# KiCad board EnvKB110ADR-RP2040.kicad_pcb
date: 2021-06-16
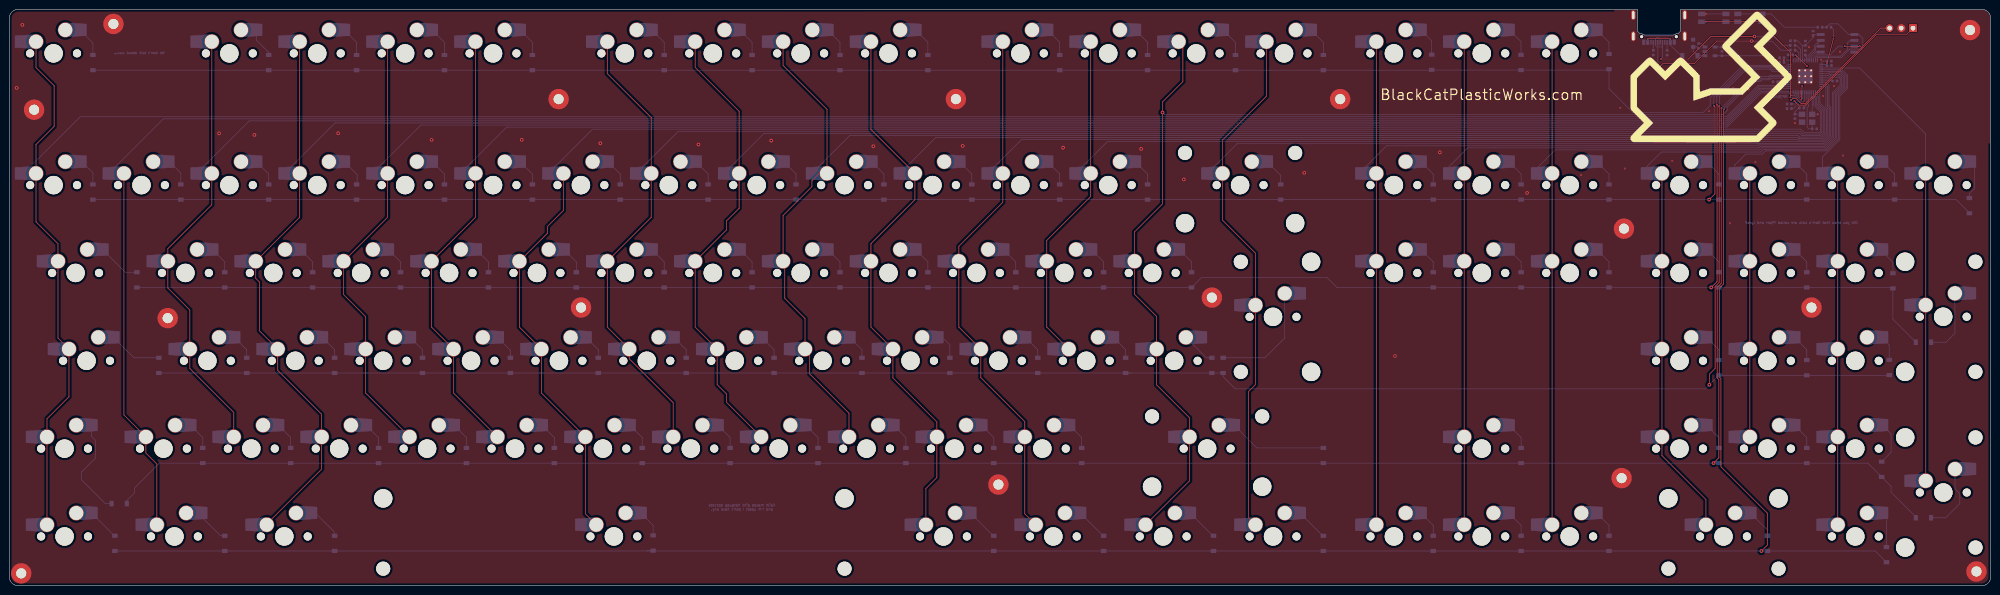
[diagram p0: board, top side]
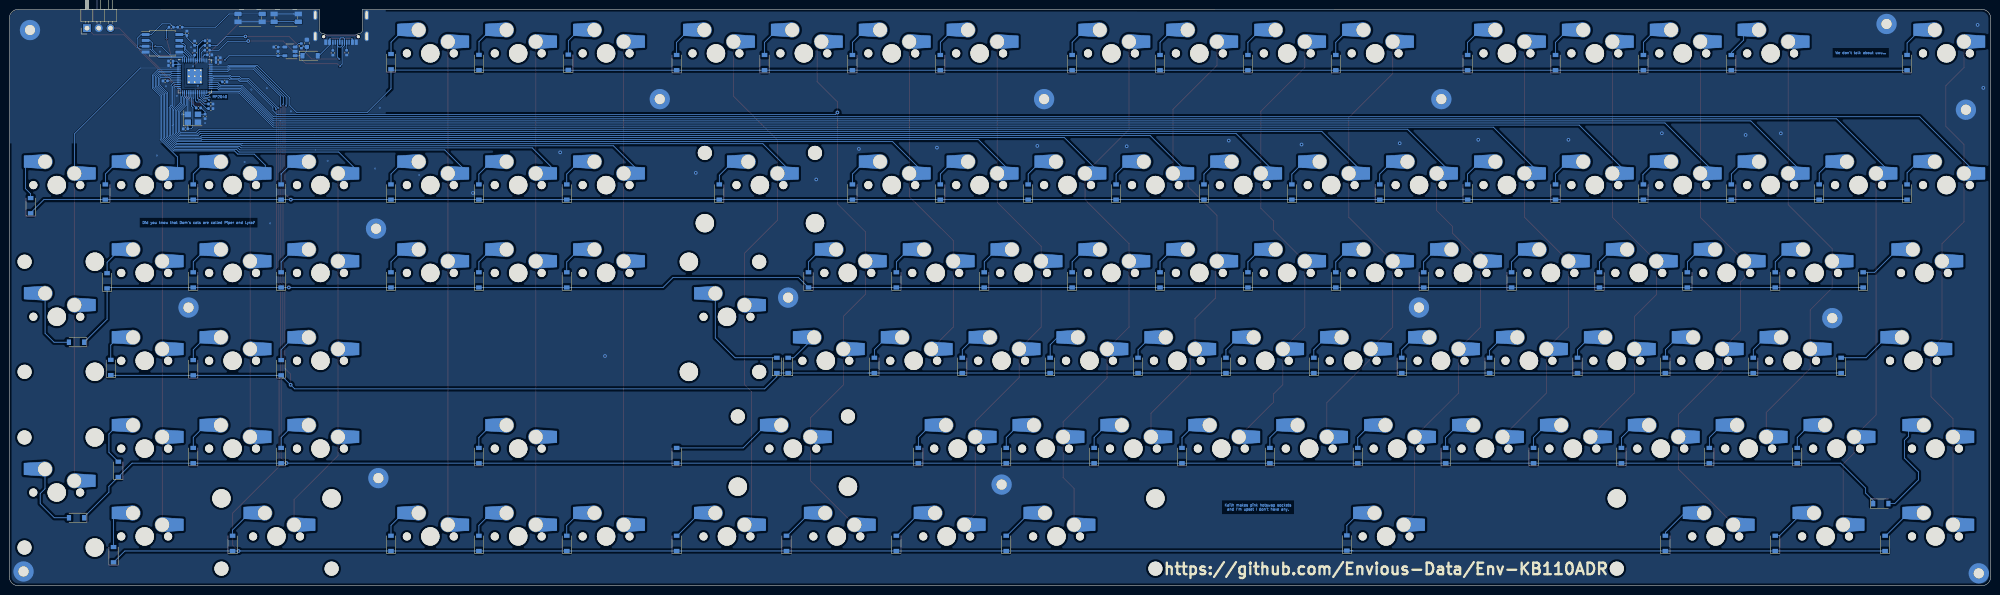
[diagram p1: board, bottom side, seen from below]

Outline 429.5 x 125.05 mm; copper layers: Top, Bottom. Coordinates in mm from the lower left corner of the outline.
Outline path: 352.89,125.05 2,125.03 arc(0.59,124.44) 0,123.03 0,2 arc(0.59,0.59) 2,0 427.5,0 arc(428.91,0.59) 429.5,2 429.5,123.03 arc(428.91,124.44) 427.5,125.03 362.29,125.05
Stack: Top 0.035mm / dielectric 1.51mm FR4 er 4.5 / Bottom 0.035mm

## Placement (name value [footprint] x y rotation side)
C1  10uf 0603 6.3V  [C_0603_1608Metric]  364.99 117.65 90 bottom
C2  22pf 0402  [C_0402_1005Metric]  391.29 99.1 180 bottom
C3  1uf 0402  [C_0402_1005Metric]  386.06 115.15 180 bottom
C4  10uf 0402  [C_0402_1005Metric]  371.24 115.43 90 bottom
C5  100nf 0402  [C_0402_1005Metric]  389.31 117.68 90 bottom
C6  100nf 0402  [C_0402_1005Metric]  385.81 104.5 180 bottom
C7  100nf 0402  [C_0402_1005Metric]  389.31 115.6 90 bottom
C8  100nf 0402  [C_0402_1005Metric]  384.22 113.53 180 bottom
C10  1uf 0402  [C_0402_1005Metric]  384.22 114.53 180 bottom
C11  100nf 0402  [C_0402_1005Metric]  386.56 118.2 180 bottom
C13  100nf 0402  [C_0402_1005Metric]  394.49 112.85 0 bottom
C14  100nf 0402  [C_0402_1005Metric]  395.69 109.5 0 bottom
C15  100nf 0402  [C_0402_1005Metric]  394.49 113.8 0 bottom
C16  100nf 0402  [C_0402_1005Metric]  385.81 103.5 180 bottom
C17  10uf 0402  [C_0402_1005Metric]  390.99 119.83 90 bottom
C18  100nf 0402  [C_0402_1005Metric]  382.81 109.3 180 bottom
C19  22pf 0402  [C_0402_1005Metric]  387.04 101.8 90 bottom
CBP1  10uf 0402  [C_0402_1005Metric]  371.69 116.85 0 bottom
D1  1N4002W  [D_SOD-123]  364.29 114.95 180 bottom
D_12  SOD-123  [D_SOD-123]  18.14 113.48 90 bottom
D_13  SOD-123  [D_SOD-123]  56.24 113.47 90 bottom
D_14  SOD-123  [D_SOD-123]  75.29 113.47 90 bottom
D_15  SOD-123  [D_SOD-123]  94.34 113.47 90 bottom
D_16  SOD-123  [D_SOD-123]  113.39 113.47 90 bottom
D_17  SOD-123  [D_SOD-123]  141.97 113.47 90 bottom
D_18  SOD-123  [D_SOD-123]  161.02 113.47 90 bottom
D_19  SOD-123  [D_SOD-123]  180.06 113.47 90 bottom
D_20  SOD-123  [D_SOD-123]  199.12 113.47 90 bottom
D_21  SOD-123  [D_SOD-123]  227.69 113.47 90 bottom
D_22  SOD-123  [D_SOD-123]  246.74 113.47 90 bottom
D_23  SOD-123  [D_SOD-123]  265.79 113.47 90 bottom
D_24  SOD-123  [D_SOD-123]  284.84 113.47 90 bottom
D_25  SOD-123  [D_SOD-123]  308.31 113.55 90 bottom
D_26  SOD-123  [D_SOD-123]  327.68 113.5 90 bottom
D_27  SOD-123  [D_SOD-123]  346.74 113.68 90 bottom
D_28  SOD-123  [D_SOD-123]  18.14 85.4 90 bottom
D_29  SOD-123  [D_SOD-123]  37.19 85.4 90 bottom
D_30  SOD-123  [D_SOD-123]  56.24 85.4 90 bottom
D_31  SOD-123  [D_SOD-123]  75.29 85.4 90 bottom
D_32  SOD-123  [D_SOD-123]  94.34 85.4 90 bottom
D_33  SOD-123  [D_SOD-123]  113.39 85.4 90 bottom
D_34  SOD-123  [D_SOD-123]  132.44 85.4 90 bottom
D_35  SOD-123  [D_SOD-123]  151.49 85.4 90 bottom
D_36  SOD-123  [D_SOD-123]  170.54 85.4 90 bottom
D_37  SOD-123  [D_SOD-123]  189.59 85.4 90 bottom
D_38  SOD-123  [D_SOD-123]  208.64 85.4 90 bottom
D_39  SOD-123  [D_SOD-123]  227.69 85.4 90 bottom
D_40  SOD-123  [D_SOD-123]  246.74 85.4 90 bottom
D_41  SOD-123  [D_SOD-123]  275.59 85.4 90 bottom
D_42  SOD-123  [D_SOD-123]  308.65 85.4 90 bottom
D_43  SOD-123  [D_SOD-123]  327.7 85.4 90 bottom
D_44  SOD-123  [D_SOD-123]  346.75 85.4 90 bottom
D_45  SOD-123  [D_SOD-123]  370.56 85.4 90 bottom
D_46  SOD-123  [D_SOD-123]  389.62 85.4 90 bottom
D_47  SOD-123  [D_SOD-123]  408.67 85.4 90 bottom
D_48  SOD-123  [D_SOD-123]  424.86 82.44 90 bottom
D_49  SOD-123  [D_SOD-123]  27.66 66.35 90 bottom
D_50  SOD-123  [D_SOD-123]  46.71 66.35 90 bottom
D_51  SOD-123  [D_SOD-123]  65.77 66.35 90 bottom
D_52  SOD-123  [D_SOD-123]  84.81 66.35 90 bottom
D_53  SOD-123  [D_SOD-123]  103.87 66.35 90 bottom
D_54  SOD-123  [D_SOD-123]  122.92 66.35 90 bottom
D_55  SOD-123  [D_SOD-123]  141.97 66.35 90 bottom
D_56  SOD-123  [D_SOD-123]  161.02 66.35 90 bottom
D_57  SOD-123  [D_SOD-123]  180.06 66.35 90 bottom
D_58  SOD-123  [D_SOD-123]  199.12 66.35 90 bottom
D_59  SOD-123  [D_SOD-123]  218.17 66.35 90 bottom
D_60  SOD-123  [D_SOD-123]  237.22 66.35 90 bottom
D_61  SOD-123  [D_SOD-123]  256.26 66.35 90 bottom
D_62  SOD-123  [D_SOD-123]  263.12 47.8 90 bottom
D_63  SOD-123  [D_SOD-123]  308.65 66.35 90 bottom
D_64  SOD-123  [D_SOD-123]  327.7 66.35 90 bottom
D_65  SOD-123  [D_SOD-123]  346.75 66.35 90 bottom
D_66  SOD-123  [D_SOD-123]  370.56 66.35 90 bottom
D_67  SOD-123  [D_SOD-123]  389.62 66.35 90 bottom
D_68  SOD-123  [D_SOD-123]  408.29 66.15 90 bottom
D_69  SOD-123  [D_SOD-123]  414.91 52.82 0 bottom
D_70  SOD-123  [D_SOD-123]  32.43 47.8 90 bottom
D_71  SOD-123  [D_SOD-123]  51.48 47.8 90 bottom
D_72  SOD-123  [D_SOD-123]  70.53 47.8 90 bottom
D_73  SOD-123  [D_SOD-123]  89.58 47.8 90 bottom
D_74  SOD-123  [D_SOD-123]  108.63 47.8 90 bottom
D_75  SOD-123  [D_SOD-123]  127.68 47.8 90 bottom
D_76  SOD-123  [D_SOD-123]  146.73 47.8 90 bottom
D_77  SOD-123  [D_SOD-123]  165.78 47.8 90 bottom
D_78  SOD-123  [D_SOD-123]  184.83 47.8 90 bottom
D_79  SOD-123  [D_SOD-123]  203.88 47.8 90 bottom
D_80  SOD-123  [D_SOD-123]  222.93 47.8 90 bottom
D_81  SOD-123  [D_SOD-123]  241.98 47.8 90 bottom
D_82  SOD-123  [D_SOD-123]  260.67 47.8 90 bottom
D_83  SOD-123  [D_SOD-123]  370.56 47.3 90 bottom
D_84  SOD-123  [D_SOD-123]  389.62 47.3 90 bottom
D_85  SOD-123  [D_SOD-123]  407.49 47.35 90 bottom
D_86  SOD-123  [D_SOD-123]  23.84 17.83 180 bottom
D_87  SOD-123  [D_SOD-123]  41.95 28.25 90 bottom
D_88  SOD-123  [D_SOD-123]  61 28.25 90 bottom
D_89  SOD-123  [D_SOD-123]  80.05 28.25 90 bottom
D_90  SOD-123  [D_SOD-123]  99.1 28.25 90 bottom
D_91  SOD-123  [D_SOD-123]  118.15 28.25 90 bottom
D_92  SOD-123  [D_SOD-123]  137.2 28.25 90 bottom
D_93  SOD-123  [D_SOD-123]  156.25 28.25 90 bottom
D_94  SOD-123  [D_SOD-123]  175.3 28.25 90 bottom
D_95  SOD-123  [D_SOD-123]  194.35 28.25 90 bottom
D_96  SOD-123  [D_SOD-123]  213.4 28.25 90 bottom
D_97  SOD-123  [D_SOD-123]  232.45 28.25 90 bottom
D_98  SOD-123  [D_SOD-123]  284.84 28.25 90 bottom
D_99  SOD-123  [D_SOD-123]  327.7 28.25 90 bottom
D_100  SOD-123  [D_SOD-123]  370.56 28.25 90 bottom
D_101  SOD-123  [D_SOD-123]  389.62 28.25 90 bottom
D_102  SOD-123  [D_SOD-123]  405.85 25.26 90 bottom
D_103  SOD-123  [D_SOD-123]  414.9 14.75 0 bottom
D_104  SOD-123  [D_SOD-123]  22.9 9.2 90 bottom
D_105  SOD-123  [D_SOD-123]  46.71 9.2 90 bottom
D_106  SOD-123  [D_SOD-123]  70.53 9.2 90 bottom
D_107  SOD-123  [D_SOD-123]  139.56 9.28 90 bottom
D_108  SOD-123  [D_SOD-123]  213.4 9.2 90 bottom
D_109  SOD-123  [D_SOD-123]  237.22 9.2 90 bottom
D_110  SOD-123  [D_SOD-123]  261.03 9.2 90 bottom
D_111  SOD-123  [D_SOD-123]  284.84 9.2 90 bottom
D_112  SOD-123  [D_SOD-123]  308.65 9.2 90 bottom
D_113  SOD-123  [D_SOD-123]  327.7 9.2 90 bottom
D_114  SOD-123  [D_SOD-123]  346.75 9.2 90 bottom
D_115  SOD-123  [D_SOD-123]  381.09 9.2 90 bottom
D_116  SOD-123  [D_SOD-123]  406.89 6.75 90 bottom
FLASH1  W25Q16JVSSIQ  [SOIC-8W_5.3x5.3mm_P1.27mm]  396.29 117.65 180 bottom
G***  LOGO  [lyra]  368.89 110.35 0 top
H1  MountingHole  [MountingHole_2.2mm_M2_Pad]  5.39 103.25 0 top
H2  MountingHole  [MountingHole_2.2mm_M2_Pad]  425 120.53 0 top
H3  MountingHole  [MountingHole_2.2mm_M2_Pad]  2.6 2.7 0 top
H4  MountingHole  [MountingHole_2.2mm_M2_Pad]  426.4 3.1 0 top
H5  MountingHole  [MountingHole_2.2mm_M2_Pad]  214.4 21.95 0 top
H6  MountingHole  [MountingHole_2.2mm_M2_Pad]  260.68 62.5 0 top
H7  MountingHole  [MountingHole_2.2mm_M2_Pad]  119.09 105.55 0 top
H8  MountingHole  [MountingHole_2.2mm_M2_Pad]  390.64 60.35 0 top
H9  MountingHole  [MountingHole_2.2mm_M2_Pad]  123.94 60.35 0 top
H10  MountingHole  [MountingHole_2.2mm_M2_Pad]  34.35 58.05 0 top
H11  MountingHole  [MountingHole_2.2mm_M2_Pad]  22.59 121.85 0 top
H12  MountingHole  [MountingHole_2.2mm_M2_Pad]  288.49 105.55 0 top
H13  MountingHole  [MountingHole_2.2mm_M2_Pad]  349.99 77.45 0 top
H14  MountingHole  [MountingHole_2.2mm_M2_Pad]  205.19 105.55 0 top
H18  MountingHole  [MountingHole_2.2mm_M2_Pad]  349.49 23.35 0 top
J2  EVQPU  [Panasonic_EVQPUJ_EVQPUA]  377.29 123.18 180 bottom
J5  Conn_01x03_Male  [PinHeader_1x03_P2.54mm_Horizontal]  412.64 120.95 90 bottom
K_12  KEYSW  [MXOnly-1U-Hotswap-Modified]  9.62 115.48 0 top
K_13  KEYSW  [MXOnly-1U-Hotswap-Modified]  47.71 115.47 0 top
K_14  KEYSW  [MXOnly-1U-Hotswap-Modified]  66.77 115.47 0 top
K_15  KEYSW  [MXOnly-1U-Hotswap-Modified]  85.81 115.47 0 top
K_16  KEYSW  [MXOnly-1U-Hotswap-Modified]  104.87 115.47 0 top
K_17  KEYSW  [MXOnly-1U-Hotswap-Modified]  133.44 115.47 0 top
K_18  KEYSW  [MXOnly-1U-Hotswap-Modified]  152.49 115.47 0 top
K_19  KEYSW  [MXOnly-1U-Hotswap-Modified]  171.54 115.47 0 top
K_20  KEYSW  [MXOnly-1U-Hotswap-Modified]  190.59 115.47 0 top
K_21  KEYSW  [MXOnly-1U-Hotswap-Modified]  219.17 115.47 0 top
K_22  KEYSW  [MXOnly-1U-Hotswap-Modified]  238.22 115.47 0 top
K_23  KEYSW  [MXOnly-1U-Hotswap-Modified]  257.26 115.47 0 top
K_24  KEYSW  [MXOnly-1U-Hotswap-Modified]  276.31 115.47 0 top
K_25  KEYSW  [MXOnly-1U-Hotswap-Modified]  300.13 115.48 0 top
K_26  KEYSW  [MXOnly-1U-Hotswap-Modified]  319.18 115.48 0 top
K_27  KEYSW  [MXOnly-1U-Hotswap-Modified]  338.23 115.48 0 top
K_28  KEYSW  [MXOnly-1U-Hotswap-Modified]  9.62 86.9 0 top
K_29  KEYSW  [MXOnly-1U-Hotswap-Modified]  28.66 86.9 0 top
K_30  KEYSW  [MXOnly-1U-Hotswap-Modified]  47.71 86.9 0 top
K_31  KEYSW  [MXOnly-1U-Hotswap-Modified]  66.77 86.9 0 top
K_32  KEYSW  [MXOnly-1U-Hotswap-Modified]  85.81 86.9 0 top
K_33  KEYSW  [MXOnly-1U-Hotswap-Modified]  104.87 86.9 0 top
K_34  KEYSW  [MXOnly-1U-Hotswap-Modified]  123.92 86.9 0 top
K_35  KEYSW  [MXOnly-1U-Hotswap-Modified]  142.97 86.9 0 top
K_36  KEYSW  [MXOnly-1U-Hotswap-Modified]  162.02 86.9 0 top
K_37  KEYSW  [MXOnly-1U-Hotswap-Modified]  181.06 86.9 0 top
K_38  KEYSW  [MXOnly-1U-Hotswap-Modified]  200.12 86.9 0 top
K_39  KEYSW  [MXOnly-1U-Hotswap-Modified]  219.17 86.9 0 top
K_40  KEYSW  [MXOnly-1U-Hotswap-Modified]  238.22 86.9 0 top
K_41  KEYSW  [MXOnly-1U-Hotswap-Modified]  266.79 86.9 0 top
K_42  KEYSW  [MXOnly-1U-Hotswap-Modified]  300.13 86.9 0 top
K_43  KEYSW  [MXOnly-1U-Hotswap-Modified]  319.18 86.9 0 top
K_44  KEYSW  [MXOnly-1U-Hotswap-Modified]  338.23 86.9 0 top
K_45  KEYSW  [MXOnly-1U-Hotswap-Modified]  362.04 86.9 0 top
K_46  KEYSW  [MXOnly-1U-Hotswap-Modified]  381.09 86.9 0 top
K_47  KEYSW  [MXOnly-1U-Hotswap-Modified]  400.14 86.9 0 top
K_48  KEYSW  [MXOnly-1U-Hotswap-Modified]  419.19 86.9 0 top
K_49  KEYSW  [MXOnly-1U-Hotswap-Modified]  14.38 67.85 0 top
K_50  KEYSW  [MXOnly-1U-Hotswap-Modified]  38.19 67.85 0 top
K_51  KEYSW  [MXOnly-1U-Hotswap-Modified]  57.24 67.85 0 top
K_52  KEYSW  [MXOnly-1U-Hotswap-Modified]  76.29 67.85 0 top
K_53  KEYSW  [MXOnly-1U-Hotswap-Modified]  95.34 67.85 0 top
K_54  KEYSW  [MXOnly-1U-Hotswap-Modified]  114.39 67.85 0 top
K_55  KEYSW  [MXOnly-1U-Hotswap-Modified]  133.44 67.85 0 top
K_56  KEYSW  [MXOnly-1U-Hotswap-Modified]  152.49 67.85 0 top
K_57  KEYSW  [MXOnly-1U-Hotswap-Modified]  171.54 67.85 0 top
K_58  KEYSW  [MXOnly-1U-Hotswap-Modified]  190.59 67.85 0 top
K_59  KEYSW  [MXOnly-1U-Hotswap-Modified]  209.64 67.85 0 top
K_60  KEYSW  [MXOnly-1U-Hotswap-Modified]  228.69 67.85 0 top
K_61  KEYSW  [MXOnly-1U-Hotswap-Modified]  247.74 67.85 0 top
K_62  KEYSW  [MXOnly-1U-Hotswap-Modified]  273.93 58.33 0 top
K_63  KEYSW  [MXOnly-1U-Hotswap-Modified]  300.13 67.85 0 top
K_64  KEYSW  [MXOnly-1U-Hotswap-Modified]  319.18 67.85 0 top
K_65  KEYSW  [MXOnly-1U-Hotswap-Modified]  338.23 67.85 0 top
K_66  KEYSW  [MXOnly-1U-Hotswap-Modified]  362.04 67.85 0 top
K_67  KEYSW  [MXOnly-1U-Hotswap-Modified]  381.09 67.85 0 top
K_68  KEYSW  [MXOnly-1U-Hotswap-Modified]  400.14 67.85 0 top
K_69  KEYSW  [MXOnly-1U-Hotswap-Modified]  419.19 58.35 0 top
K_70  KEYSW  [MXOnly-1U-Hotswap-Modified]  16.76 48.8 0 top
K_71  KEYSW  [MXOnly-1U-Hotswap-Modified]  42.95 48.8 0 top
K_72  KEYSW  [MXOnly-1U-Hotswap-Modified]  62 48.8 0 top
K_73  KEYSW  [MXOnly-1U-Hotswap-Modified]  81.05 48.8 0 top
K_74  KEYSW  [MXOnly-1U-Hotswap-Modified]  100.1 48.8 0 top
K_75  KEYSW  [MXOnly-1U-Hotswap-Modified]  119.15 48.8 0 top
K_76  KEYSW  [MXOnly-1U-Hotswap-Modified]  138.2 48.8 0 top
K_77  KEYSW  [MXOnly-1U-Hotswap-Modified]  157.25 48.8 0 top
K_78  KEYSW  [MXOnly-1U-Hotswap-Modified]  176.3 48.8 0 top
K_79  KEYSW  [MXOnly-1U-Hotswap-Modified]  195.35 48.8 0 top
K_80  KEYSW  [MXOnly-1U-Hotswap-Modified]  214.4 48.8 0 top
K_81  KEYSW  [MXOnly-1U-Hotswap-Modified]  233.45 48.8 0 top
K_82  KEYSW  [MXOnly-1U-Hotswap-Modified]  252.5 48.8 0 top
K_83  KEYSW  [MXOnly-1U-Hotswap-Modified]  362.04 48.8 0 top
K_84  KEYSW  [MXOnly-1U-Hotswap-Modified]  381.09 48.8 0 top
K_85  KEYSW  [MXOnly-1U-Hotswap-Modified]  400.14 48.8 0 top
K_86  KEYSW  [MXOnly-1U-Hotswap-Modified]  12 29.75 0 top
K_87  KEYSW  [MXOnly-1U-Hotswap-Modified]  33.43 29.75 0 top
K_88  KEYSW  [MXOnly-1U-Hotswap-Modified]  52.48 29.75 0 top
K_89  KEYSW  [MXOnly-1U-Hotswap-Modified]  71.53 29.75 0 top
K_90  KEYSW  [MXOnly-1U-Hotswap-Modified]  90.58 29.75 0 top
K_91  KEYSW  [MXOnly-1U-Hotswap-Modified]  109.63 29.75 0 top
K_92  KEYSW  [MXOnly-1U-Hotswap-Modified]  128.68 29.75 0 top
K_93  KEYSW  [MXOnly-1U-Hotswap-Modified]  147.73 29.75 0 top
K_94  KEYSW  [MXOnly-1U-Hotswap-Modified]  166.78 29.75 0 top
K_95  KEYSW  [MXOnly-1U-Hotswap-Modified]  185.83 29.75 0 top
K_96  KEYSW  [MXOnly-1U-Hotswap-Modified]  204.88 29.75 0 top
K_97  KEYSW  [MXOnly-1U-Hotswap-Modified]  223.93 29.75 0 top
K_98  KEYSW  [MXOnly-1U-Hotswap-Modified]  259.65 29.75 0 top
K_99  KEYSW  [MXOnly-1U-Hotswap-Modified]  319.18 29.75 0 top
K_100  KEYSW  [MXOnly-1U-Hotswap-Modified]  362.04 29.75 0 top
K_101  KEYSW  [MXOnly-1U-Hotswap-Modified]  381.09 29.75 0 top
K_102  KEYSW  [MXOnly-1U-Hotswap-Modified]  400.14 29.75 0 top
K_103  KEYSW  [MXOnly-1U-Hotswap-Modified]  419.21 20.23 0 top
K_104  KEYSW  [MXOnly-1U-Hotswap-Modified]  12 10.7 0 top
K_105  KEYSW  [MXOnly-1U-Hotswap-Modified]  35.81 10.7 0 top
K_106  KEYSW  [MXOnly-1U-Hotswap-Modified]  59.62 10.7 0 top
K_107  KEYSW  [MXOnly-1U-Hotswap-Modified]  131.06 10.7 0 top
K_108  KEYSW  [MXOnly-1U-Hotswap-Modified]  202.5 10.7 0 top
K_109  KEYSW  [MXOnly-1U-Hotswap-Modified]  226.31 10.7 0 top
K_110  KEYSW  [MXOnly-1U-Hotswap-Modified]  250.12 10.7 0 top
K_111  KEYSW  [MXOnly-1U-Hotswap-Modified]  273.93 10.7 0 top
K_112  KEYSW  [MXOnly-1U-Hotswap-Modified]  300.13 10.7 0 top
K_113  KEYSW  [MXOnly-1U-Hotswap-Modified]  319.18 10.7 0 top
K_114  KEYSW  [MXOnly-1U-Hotswap-Modified]  338.23 10.7 0 top
K_115  KEYSW  [MXOnly-1U-Hotswap-Modified]  371.56 10.7 0 top
K_116  KEYSW  [MXOnly-1U-Hotswap-Modified]  400.14 10.7 0 top
R1  1K 0402 Resistor  [C_0402_1005Metric]  392.49 121.15 180 bottom
R2  10K 0402  [C_0402_1005Metric]  394.39 121.15 180 bottom
R3  27 0402 Resistor  [R_0402_1005Metric]  386.56 117.2 0 bottom
R4  27 0402 Resistor  [R_0402_1005Metric]  386.58 116.18 0 bottom
R5  5.1K 0402  [R_0402_1005Metric]  356.36 115.62 90 bottom
R6  5.1K 0402  [R_0402_1005Metric]  359.35 115.6 90 bottom
R7  100K 0402 resistor  [R_0402_1005Metric]  366.19 117.1 270 bottom
R11  1K 0402 Resistor  [C_0402_1005Metric]  388.49 103.65 180 bottom
RSW1  EVQPU  [Panasonic_EVQPUJ_EVQPUA]  369.47 123.18 180 bottom
stab1  MountingHole  [Stabilizer_Cherry_MX_2u]  266.79 86.9 0 top
stab4  MountingHole  [Stabilizer_Cherry_MX_2u]  259.65 29.75 0 top
stab5  MountingHole  [Stabilizer_Cherry_MX_6.25u]  131.06 10.7 180 top
stab6  MountingHole  [Stabilizer_Cherry_MX_2u]  273.93 58.33 90 top
stab7  MountingHole  [Stabilizer_Cherry_MX_2u]  419.19 58.35 270 top
stab8  MountingHole  [Stabilizer_Cherry_MX_2u]  419.21 20.23 270 top
stab9  MountingHole  [Stabilizer_Cherry_MX_2u]  371.56 10.7 180 top
U1  TLV75533PDBVR  [SOT-23-5]  368.64 115.9 0 bottom
U3  RP2040  [RP2040-QFN-56]  389.29 110.5 180 bottom
USB1  TYPE-C-31-M-14  [USB_C_TYPE-C-31-M-14]  357.59 120.75 0 bottom
Y1  3225_4P  [Crystal_SMD_3225-4Pin_3.2x2.5mm]  389.69 101.4 180 bottom

## Library data of the parts
U3 = -: LCSC: C2040
USB1 = -: LCSC: C319148; MPN: U262-161N-4BVC11; Manufacturer: XKB Enterprise

## Footprints (pads in the part's own frame, mm; a bottom-side part is the same pattern mirrored in y, then rotated)
C_0402_1005Metric
  rrect 0.56x0.62 smd: 1(-0.48,0) 2(0.48,0)
C_0603_1608Metric
  rrect 0.9x0.95 smd: 1(-0.775,0) 2(0.775,0)
Crystal_SMD_3225-4Pin_3.2x2.5mm
  rect 1.4x1.2 smd: 1(-1.1,-0.85) 2(1.1,-0.85) 3(1.1,0.85) 4(-1.1,0.85)
D_SOD-123
  rect 0.9x1.2 smd: 1(-1.65,0) 2(1.65,0)
MountingHole_2.2mm_M2_Pad
  round 4.4 hole 2.2: 1(0,0)
MXOnly-1U-Hotswap-Modified
  rect 2.55x2.5 smd: (-7.085,2.54) (5.815,5.08)
  round 1.75 hole 1.75 unplated: (-5.08,0) (5.08,0)
  round 3.988 hole 3.988 unplated: (0,0)
  rect 5.5x2.5 smd far side: 1(-5.61,2.54) 2(4.34,5.08)
  round 3.25 hole 3: 1(-3.81,2.54) 2(2.54,5.08)
Panasonic_EVQPUJ_EVQPUA
  rect 1.55x1 smd: 1(-2.625,0.85) 1(2.625,0.85) 2(-2.625,-0.85) 2(2.625,-0.85)
PinHeader_1x03_P2.54mm_Horizontal
  rect 1.7x1.7 hole 1: 1(0,0)
  oval 1.7x1.7 hole 1: 2(0,-2.54) 3(0,-5.08)
R_0402_1005Metric
  rrect 0.54x0.64 smd: 1(-0.51,0) 2(0.51,0)
RP2040-QFN-56
  rrect 1.084x1.084 smd: (-0.637,-0.637) (-0.637,0.637) (0.637,-0.637) (0.637,0.637)
  rrect 0.875x0.2 smd: 1(-3.438,2.6) 2(-3.438,2.2) 3(-3.438,1.8) 4(-3.438,1.4) 5(-3.438,1) 6(-3.438,0.6) 7(-3.438,0.2) 8(-3.438,-0.2) 9(-3.438,-0.6) 10(-3.438,-1) 11(-3.438,-1.4) 12(-3.438,-1.8) 13(-3.438,-2.2) 14(-3.438,-2.6) 29(3.438,-2.6) 30(3.438,-2.2) 31(3.438,-1.8) 32(3.438,-1.4) 33(3.438,-1) 34(3.438,-0.6) 35(3.438,-0.2) 36(3.438,0.2) 37(3.438,0.6) 38(3.438,1) 39(3.438,1.4) 40(3.438,1.8) 41(3.438,2.2) 42(3.438,2.6)
  rrect 0.2x0.875 smd: 15(-2.6,-3.438) 16(-2.2,-3.438) 17(-1.8,-3.438) 18(-1.4,-3.438) 19(-1,-3.438) 20(-0.6,-3.438) 21(-0.2,-3.438) 22(0.2,-3.438) 23(0.6,-3.438) 24(1,-3.438) 25(1.4,-3.438) 26(1.8,-3.438) 27(2.2,-3.438) 28(2.6,-3.438) 43(2.6,3.438) 44(2.2,3.438) 45(1.8,3.438) 46(1.4,3.438) 47(1,3.438) 48(0.6,3.438) 49(0.2,3.438) 50(-0.2,3.438) 51(-0.6,3.438) 52(-1,3.438) 53(-1.4,3.438) 54(-1.8,3.438) 55(-2.2,3.438) 56(-2.6,3.438)
  round 0.6 hole 0.35: 57(-1.275,-1.275) 57(-1.275,0) 57(-1.275,1.275) 57(0,-1.275) 57(0,0) 57(0,1.275) 57(1.275,-1.275) 57(1.275,0) 57(1.275,1.275)
  rrect 3.2x3.2 smd: 57(0,0)
SOIC-8W_5.3x5.3mm_P1.27mm
  rect 1.7x0.65 smd: 1(-3.65,1.905) 2(-3.65,0.635) 3(-3.65,-0.635) 4(-3.65,-1.905) 5(3.65,-1.905) 6(3.65,-0.635) 7(3.65,0.635) 8(3.65,1.905)
SOT-23-5
  rect 1.06x0.65 smd: 1(-1.1,0.95) 2(-1.1,0) 3(-1.1,-0.95) 4(1.1,-0.95) 5(1.1,0.95)
Stabilizer_Cherry_MX_2u
  round 3.048 hole 3.048 unplated: (-11.938,6.985) (11.938,6.985)
  round 3.988 hole 3.988 unplated: (-11.938,-8.255) (11.938,-8.255)
Stabilizer_Cherry_MX_6.25u
  round 3.048 hole 3.048 unplated: (-50,6.985) (50,6.985)
  round 3.988 hole 3.988 unplated: (-50,-8.255) (50,-8.255)
USB_C_TYPE-C-31-M-14
  oval 1.2x2.4 smd: (-5.675,-3.02) (-5.675,1.58) (5.675,-3.02) (5.675,1.58)
  round 0.65 hole 0.65 unplated: (-3.75,1.66) (3.75,1.66)
  rect 0.6x1.1 smd: A1(-3.3,2.86) A4(-2.45,2.86) A9(2.45,2.86) A12(3.3,2.86) B1(3.3,2.86) B4(2.45,2.86) B9(-2.45,2.86) B12(-3.3,2.86)
  rect 0.3x1.1 smd: A5(-1.25,2.86) A6(-0.25,2.86) A7(0.25,2.86) A8(1.25,2.86) B5(1.75,2.86) B6(0.75,2.86) B7(-0.75,2.86) B8(-1.75,2.86)
  oval 0.9x2.1 hole 0.5x1.7: S1(-5.575,-3.02) S1(-5.575,1.58) S1(5.575,-3.02) S1(5.575,1.58)
